# Altium PCB stm32f103c8t6最小系统.PcbDoc
Units mil, origin at the board's own origin, x right, y up, seen from the top; angles counter-clockwise.
Board outline 1968.5 x 1968.5 mil, 2 copper layers (Top Layer, Bottom Layer); 28 components, 46 nets, 151 pads, 67 vias.
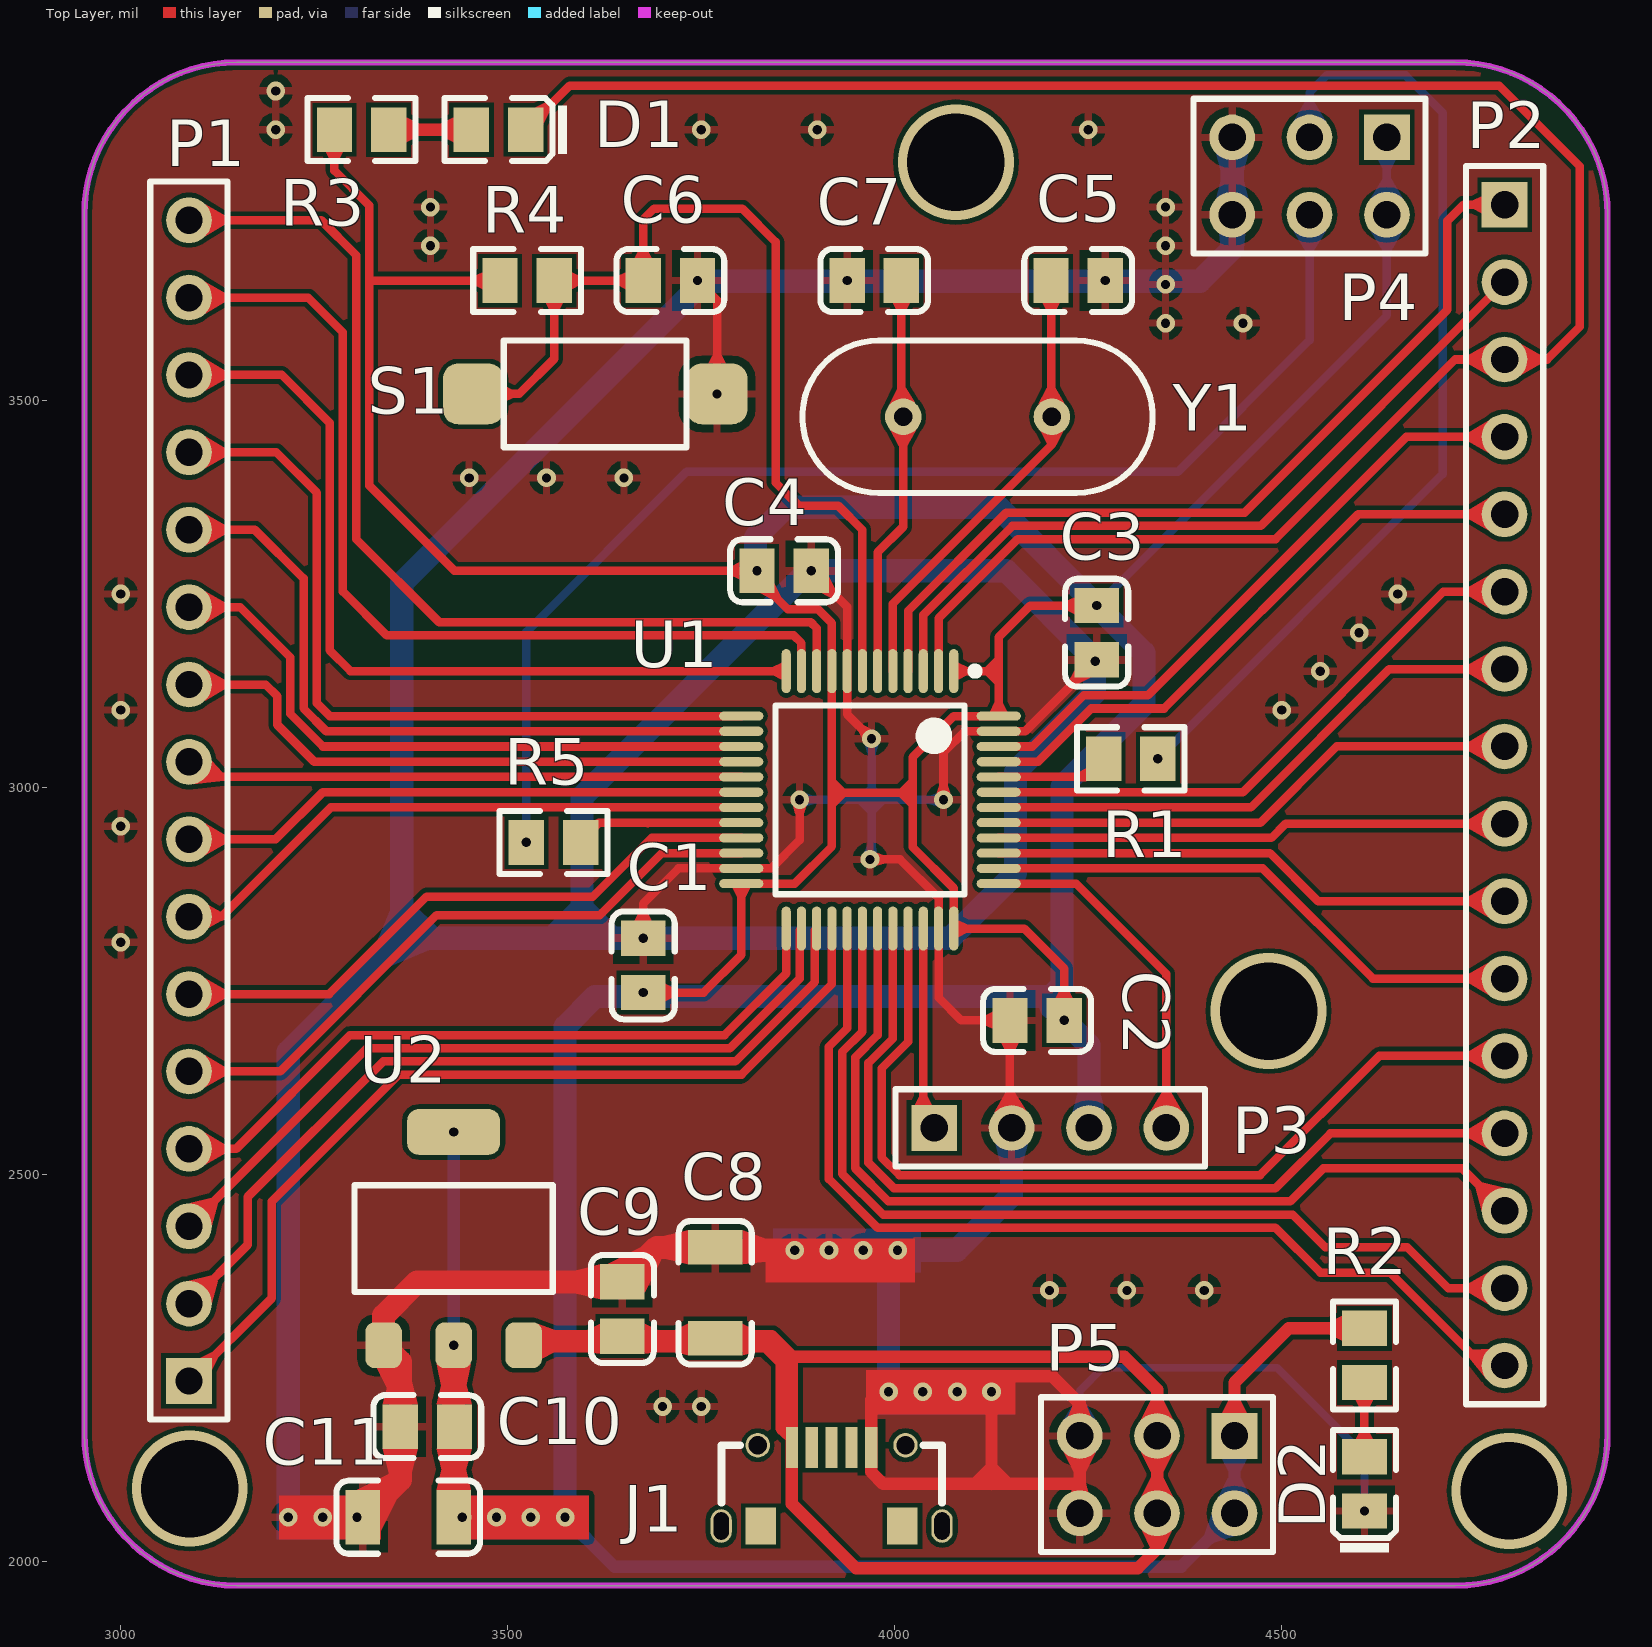
[diagram p0: Top Layer view]
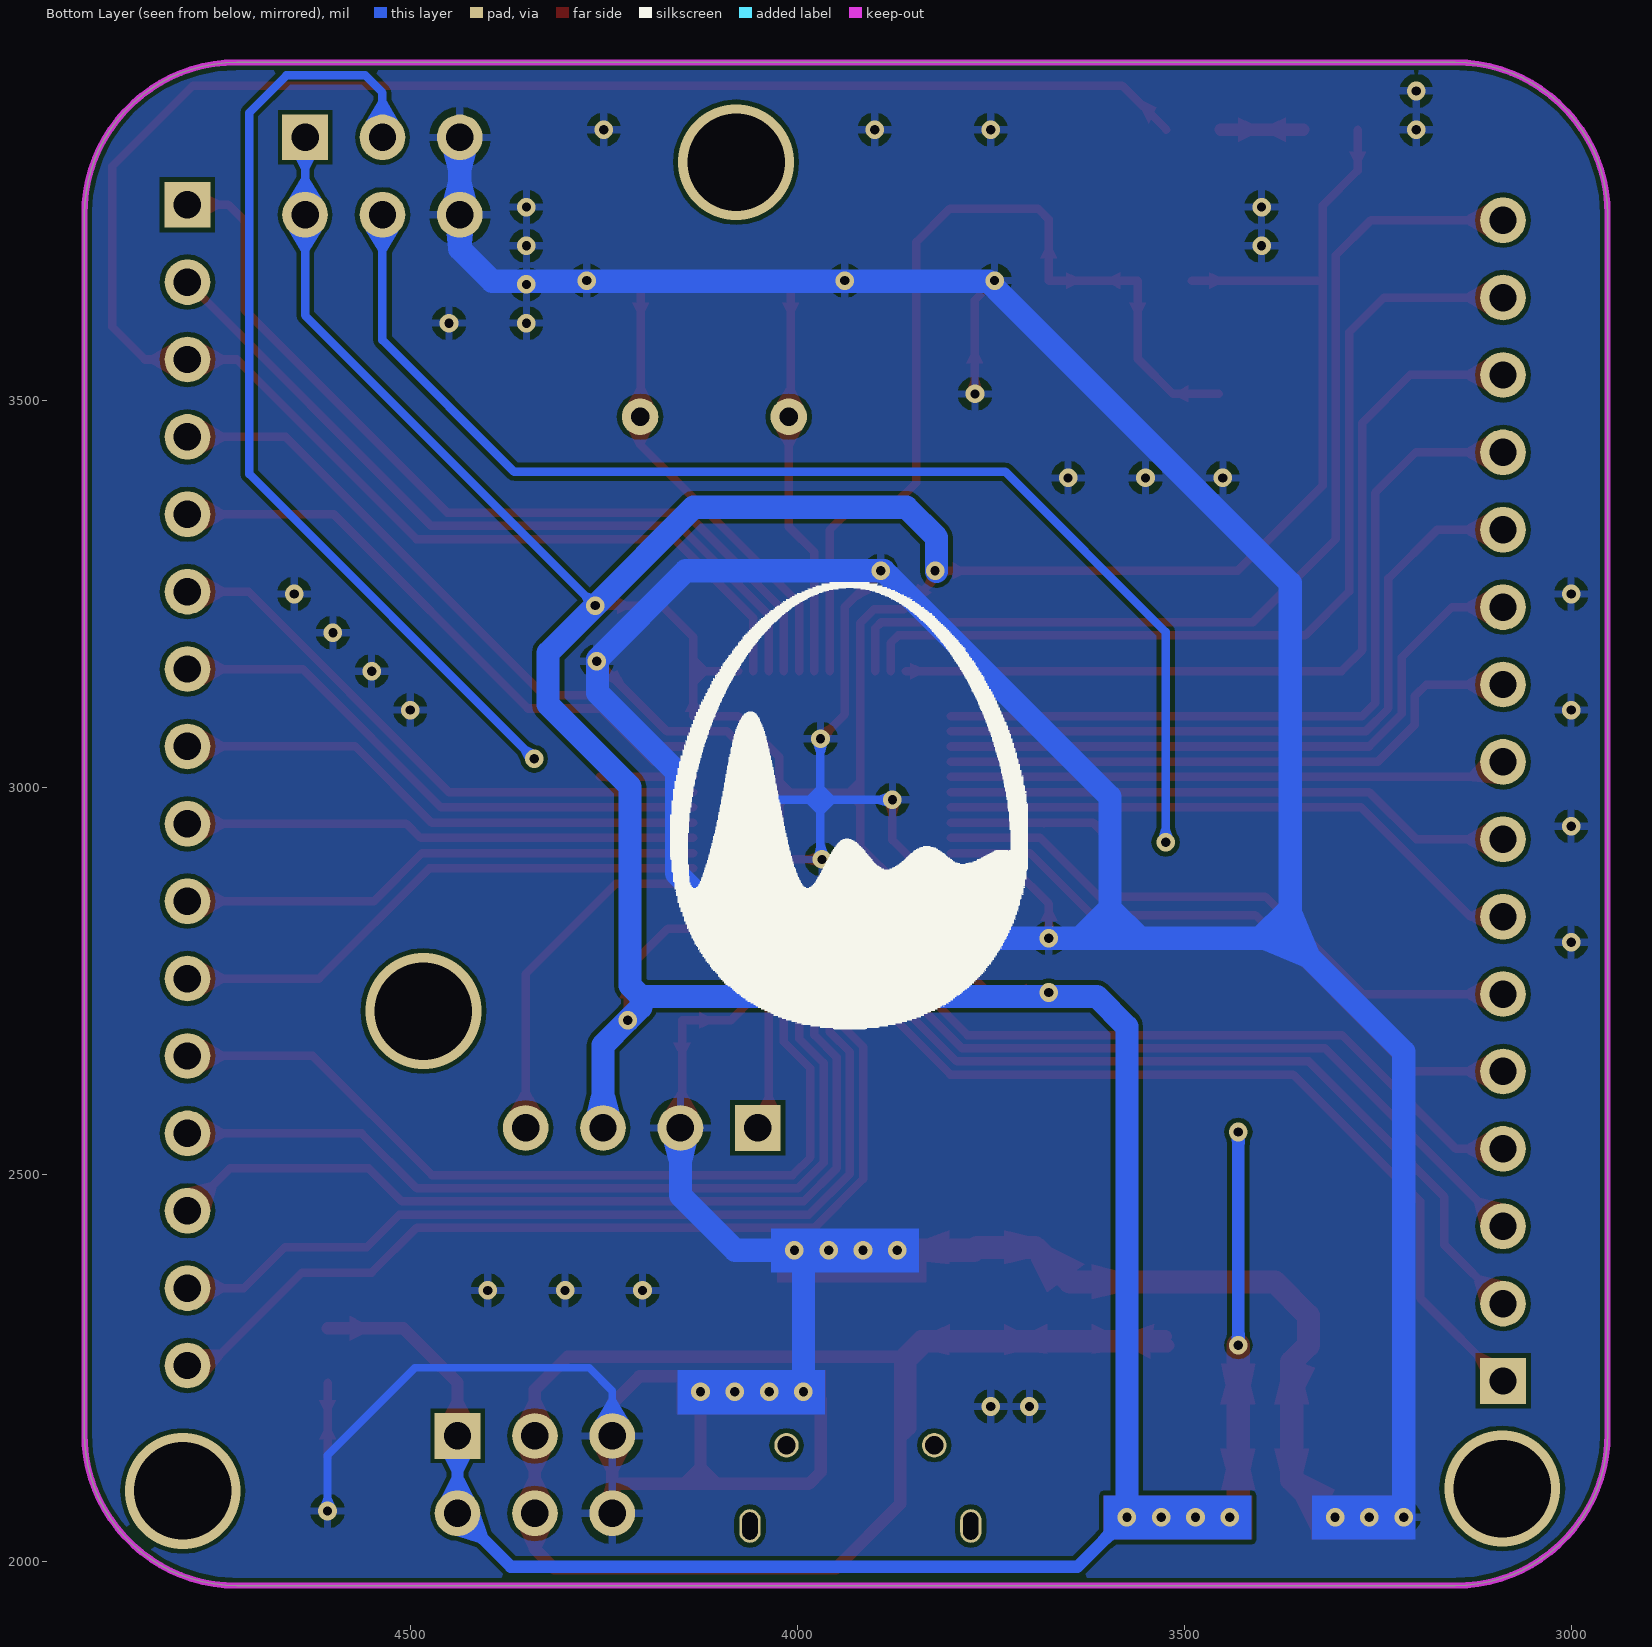
[diagram p1: Bottom Layer view, seen from below]
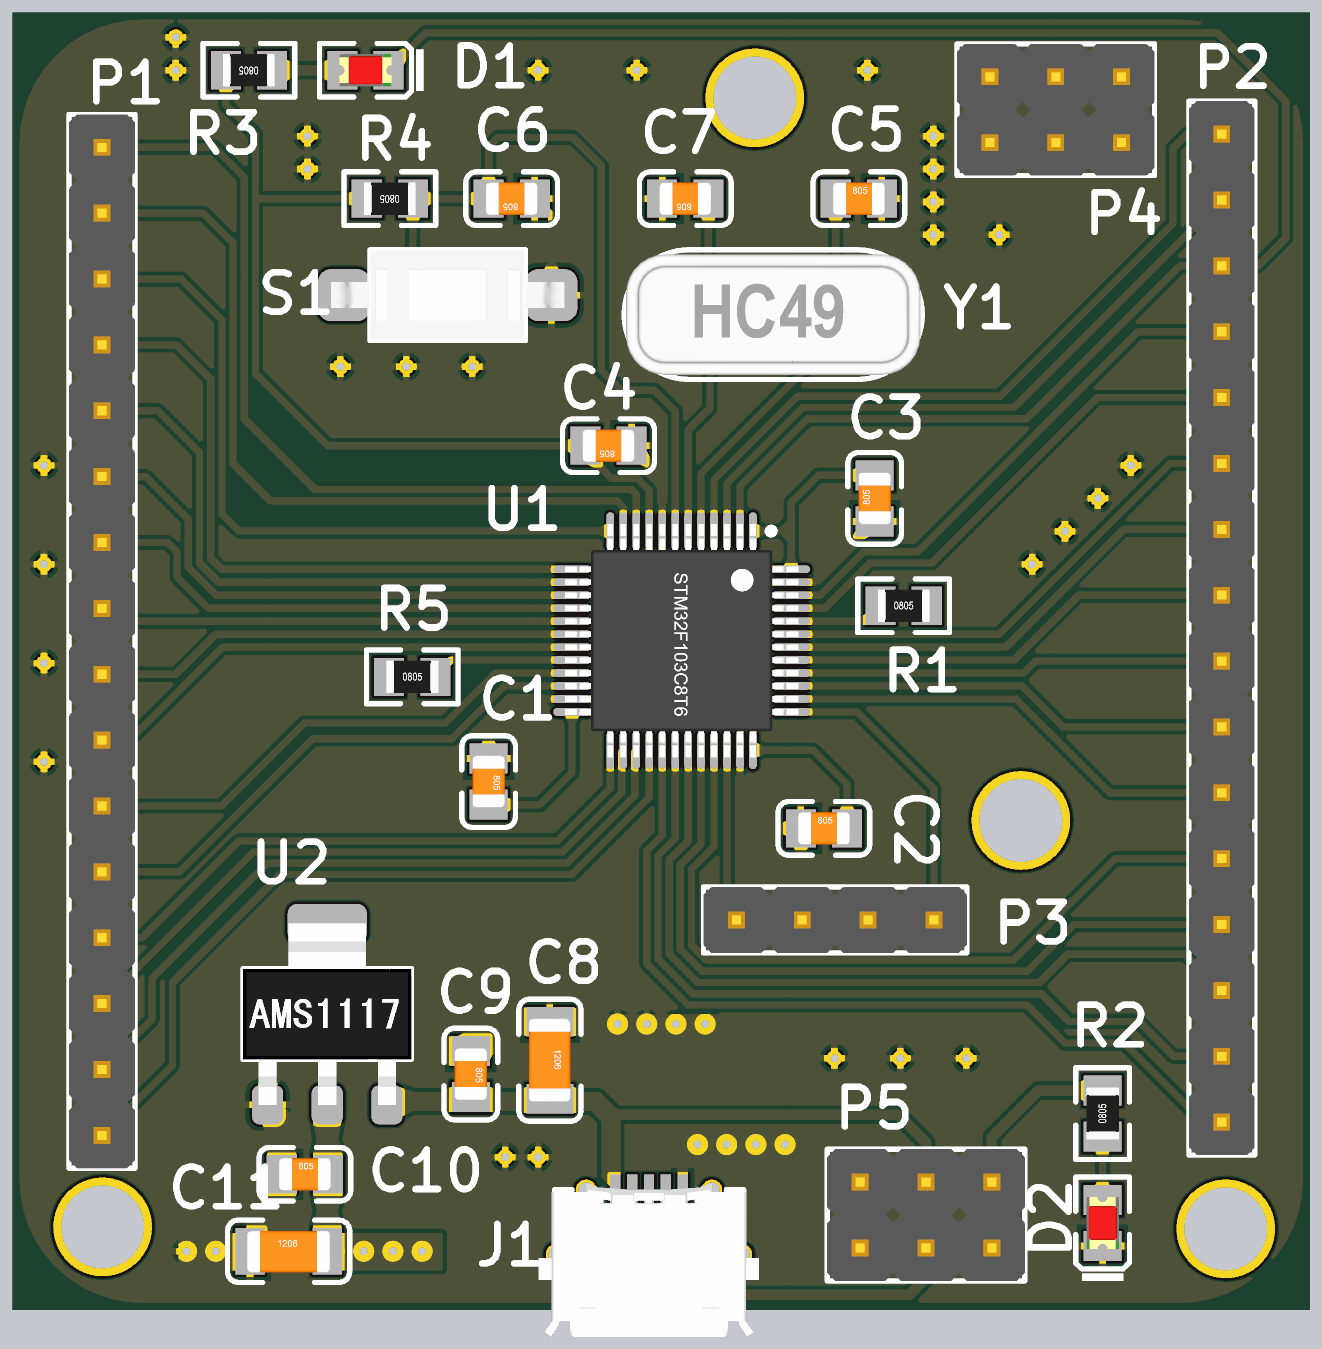
[diagram p2: 3D render of the assembled board from above, using the file's embedded part models]

## Layer stack, top to bottom
Top Solder: solder mask 0.4, Solder Resist, Dk 3.5
Top Layer: signal copper 1.4
Dielectric 1: dielectric 12.6, FR-4, Dk 4.8
Bottom Layer: signal copper 1.4
Bottom Solder: solder mask 0.4, Solder Resist, Dk 3.5

## Board outline
2952.76,2165.35 ccw(c3149.61,2165.35) 3149.61,1968.5 4724.41,1968.5 ccw(c4724.41,2165.35) 4921.26,2165.35 4921.26,3740.16 ccw(c4724.41,3740.16) 4724.41,3937.01 3149.61,3937.01 ccw(c3149.61,3740.16) 2952.76,3740.16

## Design rules (kind name [scope] priority, off if disabled: settings)
Clearance [All] p1: gap=6 ignorepadtopadclearanceinfootprint=FALSE
PolygonConnect [All] p1: connectstyle=Relief reliefconductorwidth=10 reliefentries=4 polygonreliefangle="90 Angle" airgapwidth=10
RoutingVias [All] p1: holewidth=28 width=50 viastyle="Through Hole" minholewidth=28 minwidth=50 maxholewidth=28 maxwidth=50
SolderMaskExpansion [All] p1: expansion=4
Width [All] p1: maxlimit=100 minlimit=10 preferedwidth=11 minimp=50.000000 maximp=50.000000 favimp=50.000000
30 further rules are at their usual default settings.

## Components (designator, comment, footprint, x,y, rotation, side; value= is the part's Value field where it differs from the comment)
C1 "100nF(104) 10% 50V" 0805_C 3674.94,2770.04 r270 top
C2 "100nF(104) 10% 50V" 0805_C 4183.96,2699 r0 top
C3 "100nF(104) 10% 50V" 0805_C 4261,3200 r90 top
C4 "100nF(104) 10% 50V" 0805_C 3856.96,3280 r180 top
C5 "22pF (220) 5% 50V" 0805_C 4237,3655 r0 top
C6 "1uF (105) 10% 50V" 0805_C 3710,3655 r180 top
C7 "22pF (220) 5% 50V" 0805_C 3973.51,3655 r180 top
C8 "10uF (106) 10% 50V" 1206_C 3768,2347 r270 top
C9 "100nF(104) 10% 50V" 0805_C 3648,2326 r270 top
C10 "100nF(104) 10% 50V" 0805_C 3395.96,2174 r0 top
C11 "10uF (106) 10% 50V" 1206_C 3371.34,2057 r0 top
D1 "红灯 0805" 0805_LED_S1 3487.96,3850 r180 top
D2 "红灯 0805" 0805_LED_S1 4607,2100 r90 top
J1 "micro usb" "micro usb" 3918.41,2147 r180 top
P1 "Header 16" HDR1X16 3088,2983 r90 top
P2 "Header 16" HDR1X16 4788,3003 r270 top
P3 "Header 4" HDR1X4 4201,2560 r0 top
P4 "Header 3X2" HDR2X3 4636,3840 r180 top
P5 "Header 3X2" HDR2X3 4439,2162 r180 top
R1 "10KΩ (1002) ±1%" 0805_R 4305,3037 r0 top
R2 "1KΩ (1001) ±1%" 0805_R 4607,2266 r90 top
R3 "1KΩ (1001) ±1%" 0805_R 3311,3850 r180 top
R4 "10KΩ (1002) ±1%" 0805_R 3525,3655 r180 top
R5 "10KΩ (1002) ±1%" 0805_R 3559,2929 r0 top
S1 "KEY" KEY 3612.85,3508.53 r180 top
U1 "stm32f103c8t6" stm32f103c8t6 3968,2984 r270 top
U2 "AMS1117" AMS1117 3430,2417 r0 top
Y1 "XTAL" XTAL 4107,3479 r0 top

## Footprints (in the part's own frame and the unit in brackets; to place one, negate y for a bottom-side part, rotate by r counter-clockwise, add the part's x,y. Pads: shape width x height; smd on the part's side, far side on the other; paste and mask are expansions set on the pad)
0805_C [mm]
  rect 1.16x1.47 smd: 1(-0.89,0) 2(0.89,0)
  silkscreen extent -1.77,-1.04 1.77,1.04, body extent -1,-0.62 1,0.63, height 0.77
0805_LED_S1 [mm]
  rect 1.16x1.47 smd: A(0.89,0) K(-0.89,0)
  silkscreen extent -2.25,-1.04 1.77,1.03, body extent -1.01,-0.62 1.01,0.62, height 1.1
0805_R [mm]
  rect 1.16x1.47 smd: 1(-0.89,0) 2(0.89,0)
  silkscreen extent -1.77,-1.04 1.77,1.03, body extent -1,-0.62 1,0.63, height 0.49
1206_C [mm]
  rect 1.13x1.8 smd: 1(-1.49,0) 2(1.49,0)
  silkscreen extent -2.36,-1.2 2.35,1.2, body extent -1.6,-0.81 1.6,0.79, height 1
AMS1117 [mm]
  rrect50% 1.2x1.5 smd: 1(-2.3,-3.5) 2(0,-3.5) 3(2.3,-3.5)
  rrect50% 3.05x1.5 smd: 2(0,3.5)
  silkscreen extent -3.25,-1.75 3.25,1.75, body extent -3.25,-3.5 3.25,3.5, height 1.85
HDR1X4 [mm] "Connector; Header; 4 Position"
  rect 1.5x1.5 hole 0.9: 1(-3.81,0)
  round 1.5 hole 0.9: 2(-1.27,0) 3(1.27,0) 4(3.81,0)
  silkscreen extent -5.08,-1.27 5.08,1.27, body extent -5.08,-1.27 5.08,1.27, height 10.1
HDR1X16 [mm] "Connector; Header; 16 Position"
  rect 1.5x1.5 hole 0.9: 1(-19.05,0)
  round 1.5 hole 0.9: 2(-16.51,0) 3(-13.97,0) 4(-11.43,0) 5(-8.89,0) 6(-6.35,0) 7(-3.81,0) 8(-1.27,0) 9(1.27,0) 10(3.81,0) 11(6.35,0) 12(8.89,0) 13(11.43,0) 14(13.97,0) 15(16.51,0) 16(19.05,0)
  silkscreen extent -20.32,-1.27 20.32,1.27, body extent -20.32,-1.27 20.32,1.27, height 10.1
HDR2X3 [mm] "Connector; Header; 3x2 Position"
  rect 1.5x1.5 hole 0.9: 1(0,0)
  round 1.5 hole 0.9: 2(0,2.54) 3(2.54,0) 4(2.54,2.54) 5(5.08,0) 6(5.08,2.54)
  silkscreen extent -1.27,-1.27 6.35,3.81, body extent -1.27,-1.27 6.35,3.81, height 10.1
KEY [mm]
  rrect50% 2x2 smd: 1(-4,0) 2(4,0)
  silkscreen extent -3,-1.75 3,1.75, body extent -4.5,-1.75 4.5,1.75, height 4.5
"micro usb" [mm]
  rect 0.4x1.35 smd: 1(1.3,0) 2(0.65,0) 3(0,0) 4(-0.65,0) 5(-1.3,0)
  oval 0.7x1.1 hole 0.5 slot 0.9 at 90 deg: ""(-3.625,2.575) ""(3.625,2.575)
  round 0.8 hole 0.6: ""(-2.425,-0.075) ""(2.425,-0.075)
  rect 1x1.2 smd: ""(-2.325,2.575) ""(2.325,2.575)
  silkscreen extent -3.62,-0.07 3.61,1.81, body extent -4.32,-0.31 4.33,5.59, height 2.78
stm32f103c8t6 [mm] "TSQFP, 48-Leads, Body 7.00x7.00mm, Pitch 0.50mm, IPC Medium Density"
  oval 1.45x0.3 smd: 1(-4.225,2.75) 2(-4.225,2.25) 3(-4.225,1.75) 4(-4.225,1.25) 5(-4.225,0.75) 6(-4.225,0.25) 7(-4.225,-0.25) 8(-4.225,-0.75) 9(-4.225,-1.25) 10(-4.225,-1.75) 11(-4.225,-2.25) 12(-4.225,-2.75) 25(4.225,-2.75) 26(4.225,-2.25) 27(4.225,-1.75) 28(4.225,-1.25) 29(4.225,-0.75) 30(4.225,-0.25) 31(4.225,0.25) 32(4.225,0.75) 33(4.225,1.25) 34(4.225,1.75) 35(4.225,2.25) 36(4.225,2.75)
  oval 0.3x1.45 smd: 13(-2.75,-4.225) 14(-2.25,-4.225) 15(-1.75,-4.225) 16(-1.25,-4.225) 17(-0.75,-4.225) 18(-0.25,-4.225) 19(0.25,-4.225) 20(0.75,-4.225) 21(1.25,-4.225) 22(1.75,-4.225) 23(2.25,-4.225) 24(2.75,-4.225) 37(2.75,4.225) 38(2.25,4.225) 39(1.75,4.225) 40(1.25,4.225) 41(0.75,4.225) 42(0.25,4.225) 43(-0.25,4.225) 44(-0.75,4.225) 45(-1.25,4.225) 46(-1.75,4.225) 47(-2.25,4.225) 48(-2.75,4.225)
  silkscreen extent -4.35,-3.1 3.1,3.58, body extent -4.5,-4.5 4.5,4.5, height 1.6
XTAL [mm] "晶振"
  round 1.2 hole 0.6: 1(-2.44,0) 2(2.44,0)
  silkscreen extent -5.75,-2.5 5.75,2.5, body extent -5.67,-2.32 5.68,2.33, height 3.6

## Part data
C1 C2 C3 C4 C9 C10: library part "0805 100nF(104) 10% 50V", "贴片电容", Package=0805, SuppliersPartNumber=C49678, ComponentLink1Description=供应商链接, ComponentLink1URL=http://www.szlcsc.com/product/details_50686.html, Supplier=LC
C5 C7: library part "0805 22pF (220) 5% 50V", "贴片电容", Package=0805, SuppliersPartNumber=C1804, ComponentLink1Description=供应商链接, ComponentLink1URL=http://www.szlcsc.com/product/details_2156.html, Supplier=LC
C6: library part "0805 1uF (105) 10% 50V", "贴片电容", Package=0805, SuppliersPartNumber=C28323, ComponentLink1Description=供应商链接, ComponentLink1URL=http://www.szlcsc.com/product/details_29074.html, Supplier=LC
C8 C11: library part "1206 10uF (106) 10% 50V", "贴片电容", Package=1206, SuppliersPartNumber=C13585, ComponentLink1Description=供应商链接, ComponentLink1URL=http://www.szlcsc.com/product/details_14236.html, Supplier=LC
D1 D2: library part "0805 红灯", "发光二极管", Package=0805, SuppliersPartNumber=C2295, ComponentLink1Description=供应商链接, ComponentLink1URL=http://www.szlcsc.com/product/details_2668.html, Supplier=LC
P1 P2: "Header, 16-Pin", LatestRevisionDate=17-Jul-2002, LatestRevisionNote="Re-released for DXP Platform.", Publisher="Altium Limited"
P3: "Header, 4-Pin", LatestRevisionDate=17-Jul-2002, LatestRevisionNote="Re-released for DXP Platform.", Publisher="Altium Limited"
P4 P5: "Header, 3-Pin, Dual row", LatestRevisionDate=17-Jul-2002, LatestRevisionNote="Re-released for DXP Platform.", Publisher="Altium Limited"
R1 R4 R5: library part "0805 10KΩ (1002) 1%", "贴片电阻", Package=0805, SuppliersPartNumber=C17414, ComponentLink1Description=供应商链接, ComponentLink1URL=http://www.szlcsc.com/product/details_18102.html, Supplier=LC
R2 R3: library part "0805 1KΩ (1001) 1%", "贴片电阻", Package=0805, SuppliersPartNumber=C17513, ComponentLink1Description=供应商链接, ComponentLink1URL=http://www.szlcsc.com/product/details_18201.html, Supplier=LC

## Via types
v1: diameter 24, hole 12, Top Layer to Bottom Layer, 63 vias
v2: diameter 149.61, hole 125.98, Top Layer to Bottom Layer, 4 vias

## Nets (pads, with @x,y where several pads share a name; then routed paths per layer and width w, separated by ;. In a path a pad name is that pad's centre, name@x,y a point inside that pad or via, vN(x,y) a via of type N, cw(c..) or ccw(c..) an arc to the next point about the centre after c; other vN are vias at no path point)
3.3V: C1.2 C2.2 C3.2 C4.2 C10.2 C11.2 P3.3 P4.1 P4.2 P5.1 P5.2 R2.2 R3.2 R4.2 U1.1 U1.9 U1.24 U1.36 U1.48 U2.2 | length 8137.5
  Top Layer w11: R3.2 3275.96,3797.04 3321,3752 3321,3657 ; R4.2 3323,3655 3321,3657 ; v1(3674.94,2735) 3753,2735 3801.66,2783.66 U1.24 3870.73,2875.73 3918.79,2923.79 3918.79,2993 ; C4.2@3821.92,3270.08 3861.5,3230.5 3900.5,3230.5 3918.79,3212.21 U1.9 3918.79,2993 ; v1(3821.92,3280) 3431,3280 3321,3390 3321,3657 ; U1.1 4134.34,3150.34 ; v1(4219,2699) 4219,2766 4167.34,2817.66 U1.36 4076.27,2869.73 4023,2923 4023,2993 ; v1(4261,3235.04) 4175.04,3235.04 4134.34,3194.34 4134.34,3150.34 ; 3918.79,2993 4023,2993 ; 4023,2993 4023,3039 4076.27,3092.27 U1.48 4134.34,3150.34
  Top Layer w16: P5.1 4439,2231 4509.04,2301.04 R2.2
  Top Layer w30: C11.2 v1(3430,2279.2)
  Bottom Layer w11: v1@4264.48,3238.52 4636,3610.04 P4.2 P4.1
  Bottom Layer w16: v1(3430,2279.2) v1(3430,2554.8) ; v1(3574,2057) 3638,1993 4370,1993 P5.2 P5.1
  Bottom Layer w30: v1(3574,2057) 3574,2691 3613,2730 4202,2730 ; v1@3820,3279 3820,3323 3859,3362 4134.04,3362 v1(4261,3235.04) 4322,3174.04 4322,3107 4216,3001 4216,2744 4202,2730 ; P3.3 4251,2667 v1(4219,2699) 4202,2716 4202,2730
  other v1: 3441,2057 3485.33,2057 3529.67,2057
5V: C8.2 C9.2 J1.1 P5.3 P5.4 U2.3 | length 2215.4
  Top Layer w16: U2.3 3521.76,2278 3833,2278 3854,2257 3854,2172 3867,2159 J1.1@3867,2146.77 ; U2.3@3524,2290.96 C9.2 3841.04,2290.96 3867.23,2264.77 ; J1.1@3867,2146.77 J1.1 3867.23,2264.77 ; J1.1@3867,2146.77 3867,2074 3950,1991 4314,1991 4339,2016 P5.4 P5.3 4339,2222 4296.82,2264.18 3867.82,2264.18 3867.23,2264.77
BOOT0: P4.3 R1.2 | length 1246.4
  Bottom Layer w11: v1(4340.04,3037) 4708,3404.96 4708,3872 4660,3920 4558,3920 4536,3898 P4.3
BOOT1: P4.4 R5.1 | length 1602.2
  Bottom Layer w11: v1(3523.96,2929) 3523.96,3200.96 3731,3408 4366,3408 4536,3578 P4.4
GND: C1.1 C2.1 C3.1 C4.1 C5.2 C6.1 C7.2 C8.1 C9.1 C10.1 C11.1 D2.K J1.5 P3.2 P4.5 P4.6 P5.5 P5.6 S1.1 U1.8 U1.23 U1.35 U1.47 U2.1 | length 9586.6
  Top Layer w11: v1(3674.94,2805.08) 3674.94,2849.94 3720.42,2895.42 U1.23 3840.42,2895.42 3877,2932 v1(3877,2984) ; v1(3745.04,3655) 3770.33,3629.71 v1(3770.33,3508.53) ; v1(3892,3280) 3938.47,3233.53 U1.8 3938.47,3094.53 v1(3970,3063) ; v1(3968,2907) 4007,2907 4056.58,2857.42 U1.35 4056.58,2728.42 4086,2699 C2.1 4148.92,2562.08 P3.2 ; v1(4063,2984) 4063,3045 4090.58,3072.58 U1.47 4168.62,3072.58 C3.1
  Top Layer w16: v1(4125,2219) 4125,2100 ; P5.6 4239,2101 ; 4125,2100 4238,2100 4239,2101 ; 4125,2100 3985,2100 3969.59,2115.41 J1.5 3969.59,2208.59 4000,2239 4204,2239 4239,2204 P5.5 4239,2101
  Top Layer w30: C11.1 3360.92,2105.24 C10.1 3360.92,2257.73 U2.1 3339.45,2317.45 3383.04,2361.04 C9.1 3692.62,2405.66 C8.1 3771.66,2402 v1(3870.67,2402)
  Bottom Layer w10: P5.5 4239,2220 4269,2250 4494,2250 4607,2137 v1(4607,2064.96)
  Bottom Layer w11: v1(3877,2984) 3970,2984 ; v1(3968,2907) 3970,2909 3970,2984 ; v1(3970,3063) 3970,2984 ; v1(4063,2984) 3970,2984
  Bottom Layer w30: v1(3216.33,2057) 3216.33,2658.33 3363,2805 ; 3892,2402 v1(3915,2402) v1(3959.33,2402) 3992,2402 v1(3992,2219) ; v1(4003.67,2402) 4080,2402 4151,2473 P3.2 ; P4.5 P4.6 4436,3696 4394,3654 3753,3654 3363,3264 3363,2805 ; 3363,2805 3596,2805 ; 3596,2805 4072,2805 4156,2889 4156,3020 4258,3122 4258,3166 4144,3280 3888,3280 3596,2988 3596,2805
  other v1: 3260.67,2057 3305,2057 3700,2200 3750,2200 4036.33,2219 4080.67,2219 4200,2350 4300,2350 4400,2350 3000,2800 3000,2950 3000,3100 4500,3100 4550,3150 4259,3162.96 4600,3200 3000,3250 4650,3250 3450,3400 3550,3400 3650,3400 4350,3600 4450,3600 4350,3650 3938.47,3655 4272.04,3655 3400,3700 4350,3700 3400,3750 4350,3750 3200,3850 3750,3850 3900,3850 4250,3850 3200,3900
NetD1_A: D1.A R3.1 | length 106.9
  Top Layer w16: R3.1 D1.A
NetD2_A: D2.A R2.1 | length 95.9
  Top Layer w11: D2.A R2.1
NetR1_1: R1.1 U1.44 | length 120.8
  Top Layer w11: U1.44 4254.43,3013.53 R1.1@4254.9,3014
NetR5_2: R5.2 U1.20 | length 218
  Top Layer w11: R5.2@3594.08,2931 3617.55,2954.47 3681.47,2954.47 ; 3681,2954 3681.47,2954.47 ; U1.20 3681.47,2954.47
NRST: C6.2 R4.1 S1.2 U1.7 | length 1244
  Top Layer w11: S1.2 3514.53,3508.53 3560.04,3554.04 R4.1 C6.2 3674.96,3733.96 3689,3748 3803,3748 3846,3705 3846,3394 3876,3364 3927,3364 3958.16,3332.84 U1.7
OSC_IN: C5.1 U1.5 Y1.2 | length 590.3
  Top Layer w11: U1.5 3997.53,3237.53 4203.06,3443.06 Y1.2 4201.96,3480.1 C5.1
OSC_OUT: C7.1 U1.6 Y1.1 | length 519.4
  Top Layer w11: U1.6 3977.84,3303.84 4010.94,3336.94 Y1.1 4008.55,3481.39 C7.1
PA0: P1.16 U1.10 | length 1300
  Top Layer w11: P1.16 3259,3733 3304,3688 3304,3321 3411.5,3213.5 3891.5,3213.5 3899.1,3205.9 U1.10
PA1: P1.15 U1.11 | length 1208.8
  Top Layer w11: P1.15 3242,3633 3287,3588 3287,3253 3343.5,3196.5 3869.5,3196.5 3879.42,3186.58 U1.11
PA2: P1.14 U1.12 | length 1102.5
  Top Layer w11: P1.14 3208,3533 3270,3471 3270,3177 3296.66,3150.34 U1.12
PA3: P1.13 U1.13 | length 1014.1
  Top Layer w11: P1.13 3201,3433 3253,3381 3253,3109.08 3269.82,3092.27 U1.13
PA4: P1.12 U1.14 | length 919.9
  Top Layer w11: P1.12 3173,3333 3236,3270 3236,3102.04 3265.46,3072.58 U1.14
PA5: P1.11 U1.15 | length 831
  Top Layer w11: P1.11 3154,3233 3219,3168 3219,3095 3261.1,3052.9 U1.15
PA6: P1.10 U1.16 | length 776.7
  Top Layer w11: P1.10 3187,3133 3202,3118 3202,3081 3249.79,3033.21 U1.16
PA7: P1.9 U1.17 | length 721.7
  Top Layer w11: P1.9 3107.47,3013.53 U1.17
PA8: P2.16 U1.29 | length 1306.3
  Top Layer w11: U1.29 3938.47,2688.64 3915,2665.17 3915,2493.83 3977.83,2431 4492,2431 4550,2373 4640,2373 4760,2253 P2.16
PA9: P2.15 U1.30 | length 1244.9
  Top Layer w11: U1.30 3958.16,2684.28 3932,2658.12 3932,2500.88 3984.88,2448 4514,2448 4556,2406 4662,2406 4715,2353 P2.15
PA10: P2.14 U1.31 | length 1219
  Top Layer w11: U1.31 3977.84,2679.93 3949,2651.08 3949,2507.92 3991.92,2465 4511.04,2465 4553.96,2507.92 4733.08,2507.92 P2.14
PA11: P2.13 U1.32 | length 1180.8
  Top Layer w11: U1.32 3997.53,2675.57 3966,2644.04 3966,2514.96 3998.96,2482 4492,2482 4563,2553 P2.13
PA12: P2.12 U1.33 | length 1188.1
  Top Layer w11: U1.33 4017.21,2671.21 3983,2637 3983,2522 4006,2499 4472,2499 4626,2653 P2.12
PA13: P3.1 U1.34 | length 263.5
  Top Layer w11: U1.34 4036.9,2574.1 P3.1
PA14: P3.4 U1.37 | length 464
  Top Layer w11: U1.37 4234.27,2875.73 4351,2759 P3.4
PA15: P2.11 U1.38 | length 712.7
  Top Layer w11: U1.38 4475.58,2895.42 4618,2753 P2.11
PB0: P1.8 U1.18 | length 738.9
  Top Layer w11: P1.8 3200,2933 3260.84,2993.84 U1.18
PB1: P1.7 U1.19 | length 772.1
  Top Layer w11: P1.7 3130,2833 3271.16,2974.16 U1.19
PB3: P2.10 U1.39 | length 679.4
  Top Layer w11: U1.39 4484.9,2915.1 4547,2853 P2.10
PB4: P2.9 U1.40 | length 661.2
  Top Layer w11: U1.40 4486.79,2934.79 4505,2953 P2.9
PB5: P2.8 U1.41 | length 694.5
  Top Layer w11: U1.41 4472.47,2954.47 4571,3053 P2.8
PB6: P2.7 U1.42 | length 727.7
  Top Layer w11: U1.42 4460.16,2974.16 4639,3153 P2.7
PB7: P2.6 U1.43 | length 761
  Top Layer w11: U1.43 4449.84,2993.84 4709,3253 P2.6
PB8: P2.5 U1.45 | length 786.1
  Top Layer w11: U1.45 4185.21,3033.21 4254,3102 4348,3102 4599,3353 P2.5
PB9: P2.4 U1.46 | length 819.4
  Top Layer w11: U1.46 4177.9,3052.9 4244,3119 4327,3119 4661,3453 P2.4
PB10: P1.6 U1.21 | length 797.2
  Top Layer w11: P1.6 3269,2733 3395,2859 3610,2859 3685.79,2934.79 U1.21
PB11: P1.5 U1.22 | length 830.5
  Top Layer w11: P1.5 3206,2633 3408,2835 3619,2835 3699.1,2915.1 U1.22
PB12: P1.4 U1.25 | length 923.6
  Top Layer w11: P1.4 3149,2533 3296,2680 3780,2680 3859.73,2759.73 U1.25
PB13: P1.3 U1.26 | length 987.2
  Top Layer w11: P1.3 3318,2663 3787.04,2663 3877.14,2753.1 3877.14,2815.38 U1.26
PB14: P1.2 U1.27 | length 1087.2
  Top Layer w11: P1.2 3164,2409 3164,2471 3339,2646 3794.08,2646 3896.82,2748.74 3896.82,2815.38 U1.27
PB15: P1.1 U1.28 | length 1188.3
  Top Layer w11: P1.1 3195,2340 3195,2465 3359,2629 3802,2629 3918.79,2745.79 U1.28
PC13: D1.K P2.3 U1.2 | length 2689.2
  Top Layer w11: D1.K 3580,3907 4781,3907 4885,3803 4885,3595 4843,3553 P2.3 4724.08,3553 4492.08,3321 4159.04,3321 4056.58,3218.54 U1.2
PC14: P2.2 U1.3 | length 1001.8
  Top Layer w11: U1.3 4036.9,3222.9 4152,3338 4473,3338 P2.2
PC15: P2.1 U1.4 | length 1133.4
  Top Layer w11: U1.4 4017.21,3228.21 4144,3355 4452,3355 4714,3617 4714,3732 4735,3753 P2.1
pads on no net: J1. J1.2 J1.3 J1.4
copper on no net:
  other v2: 4794,2091 3089,2094 4483,2711 4079,3808

## Polygon pours and split planes (outlines as drawn)
GND on Top Layer "Layer" (solid, remove dead copper, pour order 0): 2874,4004 4902,4004 4997,3909 4997,1972 4940,1915 2905,1915
GND on Bottom Layer "Layer" (solid, remove dead copper, pour order 2): 2911,3986 4866,3986 4985,3867 4977,3859 4977,1903 2968,1903 2905,1966

## Keep-outs
Keep-Out Layer:
  the board outline again, w7.87

## Other copper
Top Layer:
  rectangle net GND: 3204,2028 3336,2085
  rectangle net 3.3V: 3412,2028 3605,2085
  rectangle net GND: 3833,2360 4026,2417
  rectangle net GND: 3963,2190 4156,2247
Bottom Layer:
  rectangle net GND: 3201,2028 3335,2085
  rectangle net 3.3V: 3413,2028 3604,2085
  rectangle net GND: 3842.67,2373 4033.67,2430
  rectangle net GND: 3964,2190 4155,2247

## Silkscreen, mask and mechanical layers (free items; w line width, h text height)
Bottom Overlay:
  drawing of 1302 lines, arcs and shapes, not listed